# Altium PCB CameraControler1.0.PcbDoc (part 2 of 3)
Units mm, origin at the board's own origin, x right, y up, seen from the top; angles counter-clockwise.
Board outline 140 x 112 mm, 2 copper layers (Top Layer, Bottom Layer); 295 components, 219 nets, 919 pads, 603 vias.
Unrouted connection lines stored in the file: 191.
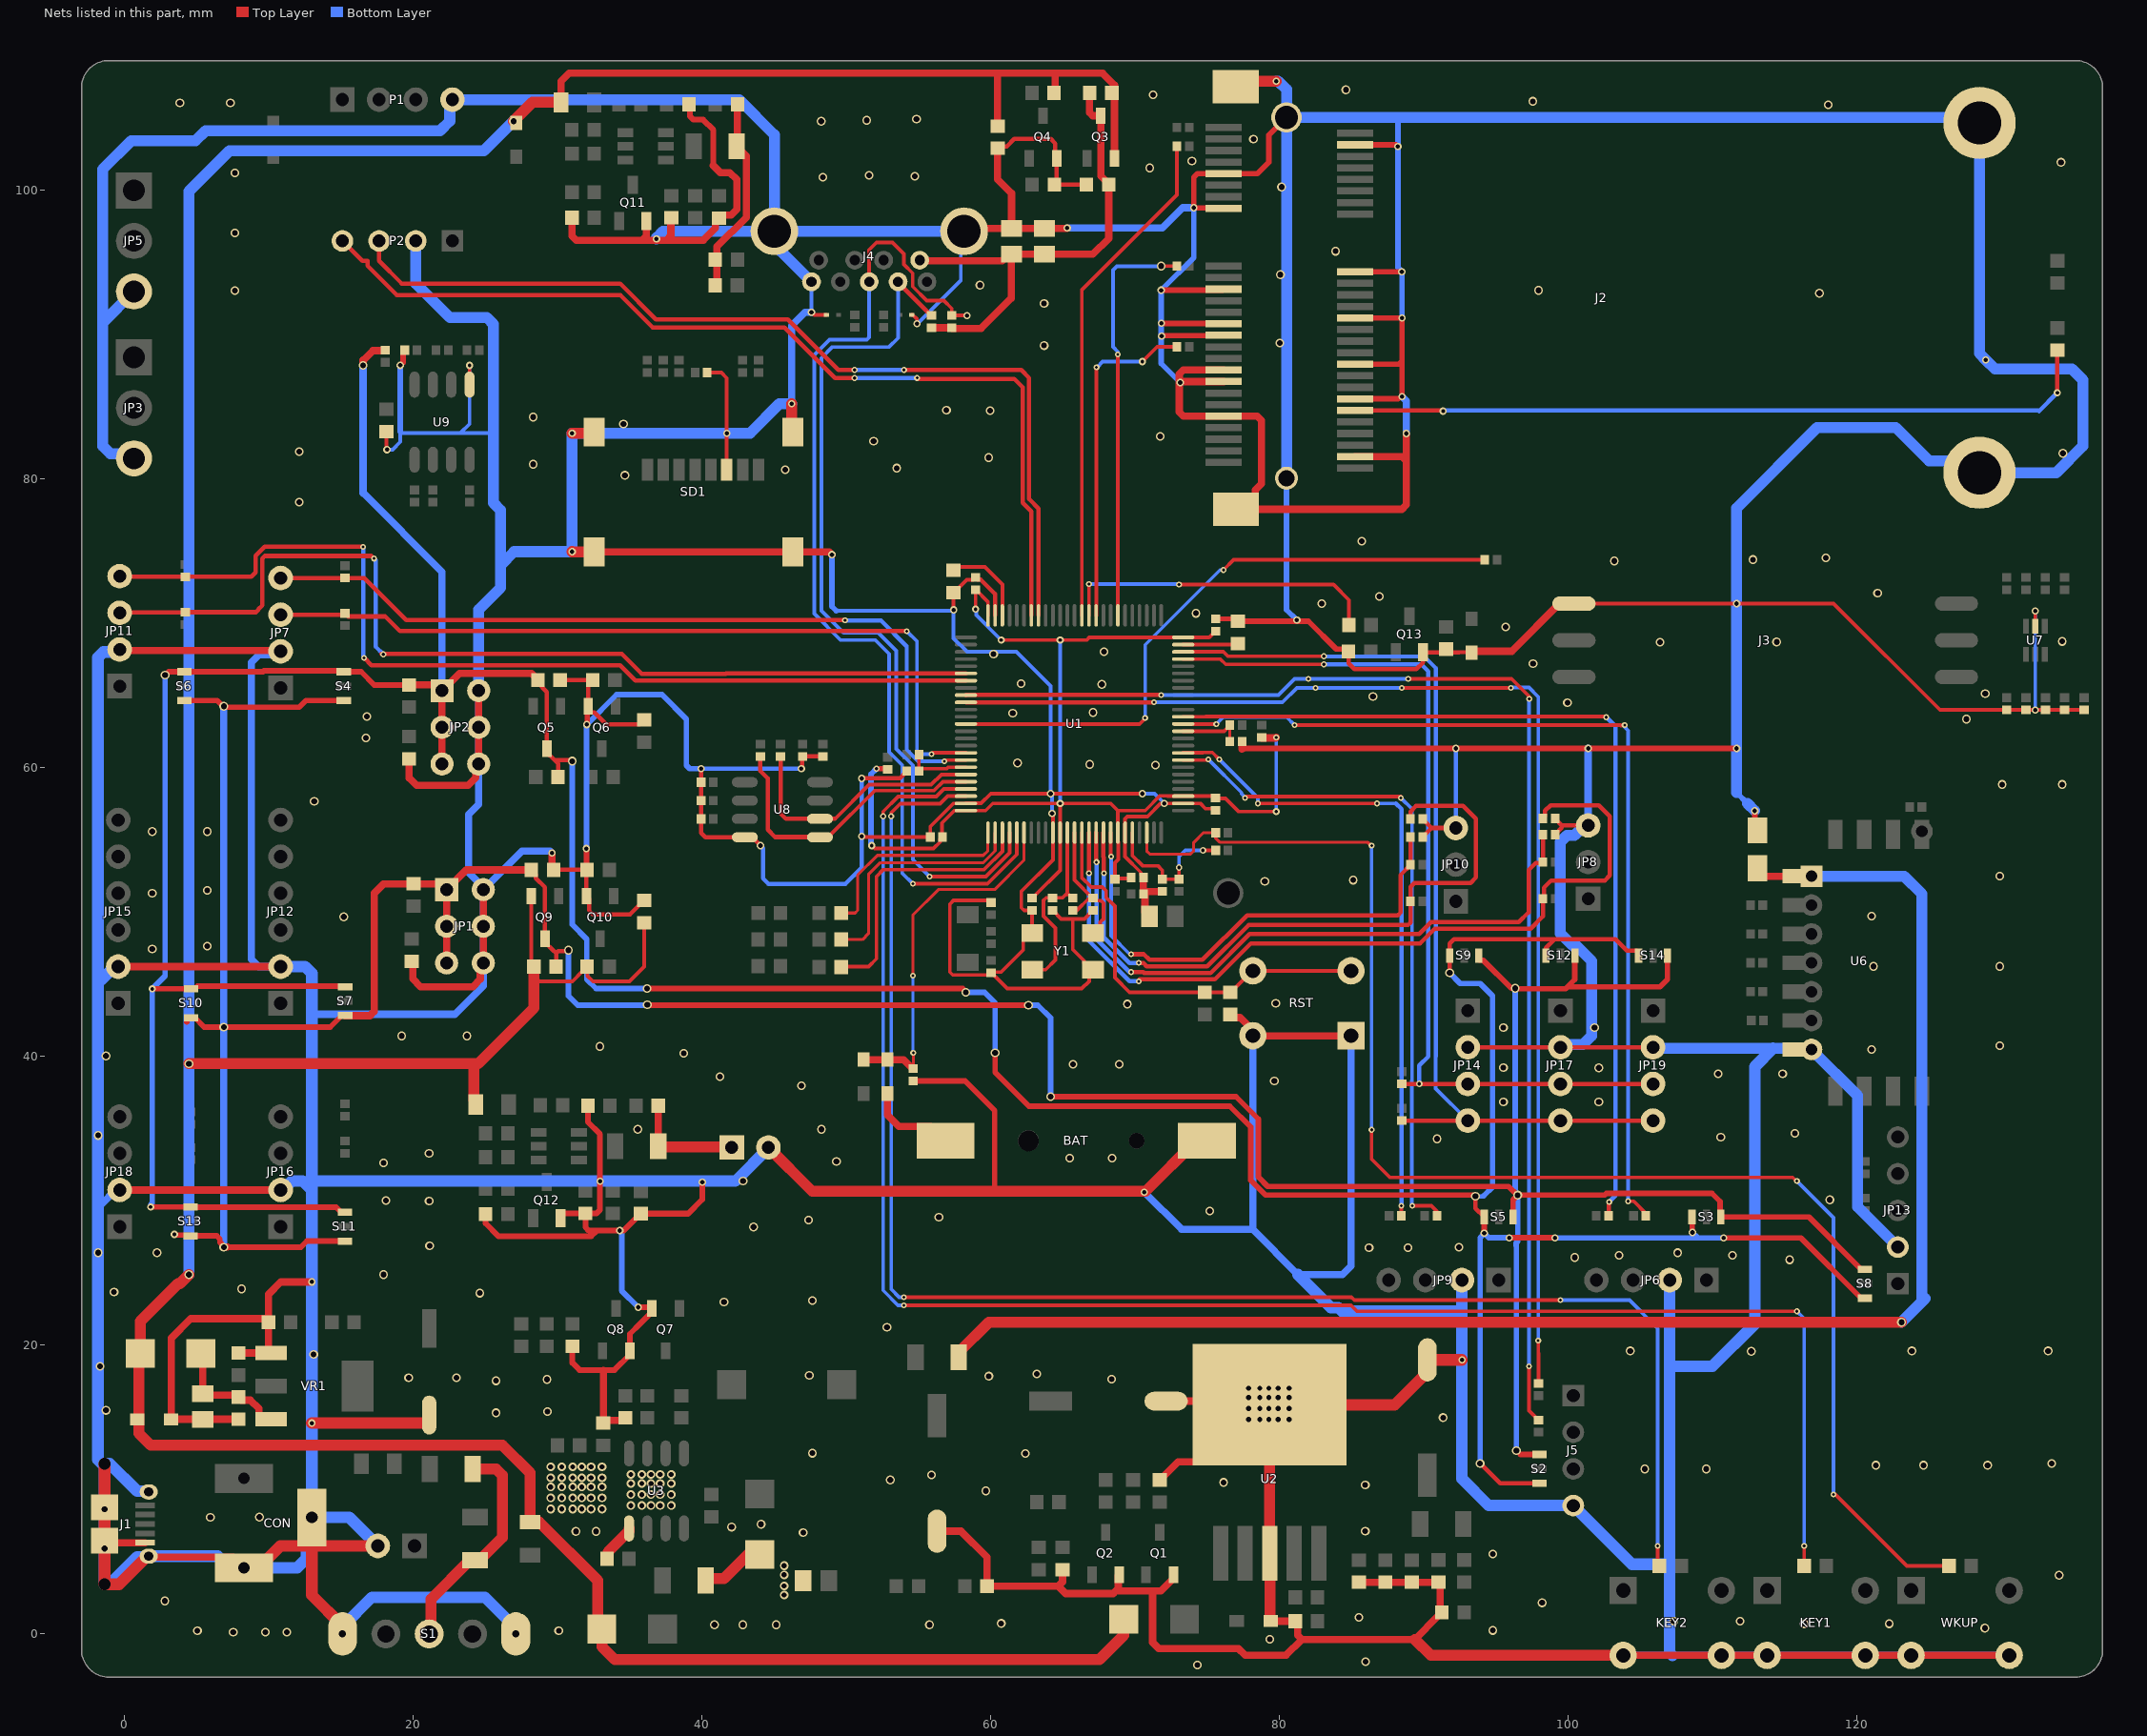
[diagram p2: the nets of this part, all layers, seen from the top]

## Via types
v1: diameter 0.61, hole 0.406, Top Layer to Bottom Layer, 251 vias
v2: diameter 0.406, hole 0.203, Top Layer to Bottom Layer, 142 vias
v3: diameter 0.6, hole 0.35, Top Layer to Bottom Layer, 74 vias
v4: diameter 0.508, hole 0.305, Top Layer to Bottom Layer, 65 vias
v5: diameter 0.508, hole 0.254, Top Layer to Bottom Layer, 32 vias
v6: diameter 0.457, hole 0.254, Top Layer to Bottom Layer, 26 vias
v7: diameter 0.406, hole 0.2, Top Layer to Bottom Layer, 7 vias
v8: diameter 4, hole 3, Top Layer to Bottom Layer, 4 vias
v9: diameter 0.508, hole 0.406, Top Layer to Bottom Layer, 2 vias

## Nets (pads, with @x,y where several pads share a name; then routed paths per layer and width w, separated by ;. In a path a pad name is that pad's centre, name@x,y a point inside that pad or via, vN(x,y) a via of type N, cw(c..) or ccw(c..) an arc to the next point about the centre after c; other vN are vias at no path point) (continued)
+3.3V_VCC_OUT3.3: C36.2 JP2.1 JP2.3 JP2.5 Q5.3 R44.1 R54.2 R101.1 S2.1 S3.1 S4.1 S5.1 S6.1 S7.1 S8.1 S9.1 S10.1 S11.1 S12.1 S13.1 S14.1 | length 309
  Top Layer w0.254: v4(110.744,27.432) 110.998,27.432
  Top Layer w0.3: C36.2@28.613,66.084 28.613,65.873 29.239,65.248 Q5.3@29.239,61.315 29.239,61.065 29.782,60.522 29.797,60.522 ; R44.1@30.009,59.37 30.009,60.31 29.797,60.522 ; v1@30.835,60.522 29.797,60.522 ; v1(91.769,45.791) 91.771,45.794 91.771,46.988 S9.1@91.774,46.99 91.774,47.84 92.066,48.133 99.05,48.133 ; v1(93.554,30.317) 93.554,29.488 S5.1@94.16,28.883 ; v1(93.875,11.811) 95.256,10.43 S2.1@97.99,10.43 ; 98.441,47.498 98.441,47.524 99.05,48.133 ; S14.1@104.855,46.99 104.855,47.24 104.755,47.34 104.044,47.34 103.251,48.133 99.05,48.133
  Top Layer w0.381: v5(1.794,29.575) S13.1@4.552,29.575 4.57,29.558 14.643,29.558 14.99,29.211 S11.1@15.24,29.211 ; v5(1.905,44.688) S10.1@4.6,44.688 4.85,44.688 5.043,44.881 15.218,44.881 S7.1@15.268,44.831 ; v1(2.794,66.421) 3.032,66.659 S6.1@4.118,66.659 9.576,66.659 9.642,66.725 14.851,66.725 14.917,66.659 S4.1@15.167,66.659 16.369,66.659 17.286,65.742 R54.2@19.689,65.742 ; v1@30.835,60.522 30.929,60.522 v1(30.988,60.463) ; v1(36.167,44.704) 58.038,44.704 58.261,44.481 v1(58.261,44.453) ; v1(60.286,40.259) 60.286,38.901 62.624,36.563 76.543,36.563 77.982,35.125 77.982,31.429 79.014,30.397 93.554,30.397 v1(93.554,30.317) ; v4(94.16,27.76) S5.1@94.16,28.883 ; v4(95.885,27.441) 99.051,27.441 v4(99.06,27.432) ; S3.1@108.55,28.883 108.568,28.865 108.568,27.83 v4(108.585,27.813) ; 110.998,27.432 116.098,27.432 120.273,23.257 S8.1@120.523,23.257
  Top Layer w0.508: v1(16.51,87.884) 16.51,88.235 17.173,88.898 17.992,88.898 R101.1@18.038,88.944 ; R54.2@19.689,65.742 21.578,65.742 JP2.1@21.975,65.345 ; JP2.5@21.975,60.265 JP2.3@21.975,62.805 JP2.1@21.975,65.345 ; C36.2@28.613,66.084 28.613,66.109 28.171,66.551 23.182,66.551 JP2.1@21.975,65.345
  Bottom Layer w0.3: v1(93.554,30.317) 94.096,30.317 94.133,30.353
  Bottom Layer w0.381: v5(1.794,29.575) 1.818,29.599 1.818,29.758 1.905,29.845 v5(1.905,44.688) 2.794,45.577 v1(2.794,66.421) ; v1(30.988,60.463) 30.988,49.149 32.004,48.133 32.004,45.339 32.639,44.704 v1(36.167,44.704) ; v1@58.293,44.453 59.56,44.453 60.286,43.727 v1(60.286,40.259) ; v1(91.769,45.791) 92.501,45.059 93.875,45.059 94.742,44.192 94.742,30.962 94.133,30.353 ; v1(93.875,11.811) 93.875,27.441 94.16,27.726 v4(94.16,27.76) 94.479,27.441 v4(95.885,27.441) ; v4(99.06,27.432) 108.966,27.432 ; v4(108.585,27.813) 108.966,27.432 ; v4(110.744,27.432) 108.966,27.432
  Bottom Layer w0.508: v1(16.51,87.884) 16.51,79.038 21.975,73.573 JP2.1@21.975,65.345
+3.3V_VCC_WiFi: C44.1 R41.2 U6.1 | length 108.2
  Top Layer w0.5: C44.1@113.084,53.046 113.084,52.917 113.509,52.492 U6.1@115.683,52.492
  Top Layer w0.762: R41.2@57.751,19.158 57.751,19.493 59.848,21.59 v1(123.063,21.59)
  Bottom Layer w0.762: U6.1@116.828,52.488 123.263,52.488 124.478,51.272 124.478,23.241 124.714,23.241 v1(123.063,21.59)
+3.3V_VDD: C10.1 C11.1 C12.1 C13.1 C14.1 C15.1 R6.1 R15.2 R16.2 U1.11 U1.19 U1.28 U1.50 U1.75 U1.100 | length 89.7
  Top Layer w0.254: v5(51.739,54.61) 51.94,54.409 56.02,54.409 56.471,54.86 56.471,55.03 C10.1@56.603,55.162 ; C10.1@56.644,55.203 C10.1@56.603,55.162 ; v5(58.928,70.991) C15.1@58.928,72.346 58.953,72.346 59.784,71.515 59.784,70.563 U1.75@59.786,70.561 ; v5(60.707,68.854) v5(64.786,68.854) 66.63,68.854 66.811,69.036 U1.50@73.311,69.036 75.107,69.036 75.54,69.469 C14.1@75.565,69.469 ; C11.1@62.853,50.967 62.878,50.967 63.051,51.14 63.051,51.165 64.786,52.9 U1.11@64.786,55.511 v5(64.786,57.531) ; R6.1@68.58,52.285 68.639,52.344 R6.1@68.664,52.344 ; C12.1@69.704,52.403 69.645,52.344 R6.1@68.664,52.344 ; C13.1@75.432,58.038 73.313,58.038 U1.28@73.311,58.036 73.309,58.038 72.256,58.038 72.23,58.064 71.706,58.064 70.678,57.036 68.786,57.036 ; C13.1@75.54,57.91 75.579,57.871 76.246,57.871 77.142,56.975 v5(79.756,56.975) ; C10.1@56.603,55.162 56.603,56.176 57.463,57.036 U1.100@58.261,57.036 59.624,57.036 60.119,57.531 v5(64.786,57.531) ; v5(64.786,57.531) 68.291,57.531 68.786,57.036 ; R6.1@68.664,52.344 68.58,52.428 68.58,53.42 68.809,53.648 68.809,54.842 68.786,54.865 U1.19@68.786,55.511 68.786,57.036
  Top Layer w0.381: v2(52.068,59.942) 52.774,59.942 R16.2@52.832,59.885
  Top Layer w0.508: R15.2@78.74,62.111 78.786,62.065 79.718,62.065 v2(79.756,62.103)
  Bottom Layer w0.254: v5(58.928,70.991) 58.977,70.943 58.977,70.585 v5(60.707,68.854) ; v5(64.786,57.531) v5(64.786,68.854) ; v5(79.756,56.975) v2(79.756,62.103)
  Bottom Layer w0.381: v5(51.739,54.61) 51.689,54.66 51.689,59.556 52.068,59.936 v2(52.068,59.942)
+5V_VBAT: R25.2 R26.2 S1.2 | length 15.7
  Top Layer w0.762: S1.2@21.082,0 21.209,0.127 21.209,2.401 23.922,5.114 R26.2@24.257,5.114 24.592,5.114 26.162,6.684 26.162,10.984 25.716,11.43 R25.2@24.096,11.43
+5V_VBAT_IN: C29.2 C38.2 D4.1 D5.1 D6.2 D7.1 D10.1 F3.2 F4.2 F5.2 Q3.2 Q9.2 R35.2 R37.2 R55.2 R56.2 | length 295.6
  Top Layer w0.254: Q9.2@28.157,51.114 28.157,46.399 R56.2@28.337,46.219 R56.2@28.337,45.909 ; 28.337,45.6 28.734,45.203 31.012,45.203 31.665,45.856 31.69,45.856 R55.2@32.028,46.194 ; R55.2@32.028,46.219 R55.2@32.028,46.194 ; C38.2@35.973,49.267 35.973,46.219 34.957,45.203 32.425,45.203 32.028,45.6 R55.2@32.028,46.194
  Top Layer w0.5: F4.2@30.226,106.103 30.226,107.569 30.79,108.133 60.458,108.133 ; C29.2@60.458,104.458 60.458,108.133 ; R35.2@64.456,106.849 64.456,108.133 ; Q3.2@68.549,102.221 68.549,107.31 67.726,108.133 64.456,108.133 ; 60.458,108.133 64.456,108.133
  Top Layer w0.6: R35.2@64.371,106.763 R35.2@64.456,106.849
  Top Layer w0.762: D6.2@0.852,14.868 D6.2@0.929,14.868 ; v1(4.445,24.892) 3.81,24.257 3.683,24.257 1.075,21.649 D5.1@1.075,19.431 0.963,19.32 0.963,14.902 D6.2@0.929,14.868 ; v1(4.445,39.497) 24.187,39.497 ; F5.2@24.314,36.675 24.314,36.866 24.187,36.993 24.187,39.497 ; v1(26.924,104.792) 28.241,106.109 30.22,106.109 F4.2@30.226,106.103 ; F3.2@28.067,7.747 28.067,11.16 26.162,13.065 1.794,13.065 0.971,13.888 0.971,14.834 0.937,14.868 D6.2@0.929,14.868 ; R56.2@28.337,45.909 28.337,45.6 28.337,43.362 24.472,39.497 24.187,39.497 ; F3.2@28.702,7.747 32.754,3.695 32.754,0.636 D10.1@33.045,0.345 ; D10.1@33.043,0.345 33.043,-0.889 33.932,-1.778 67.508,-1.778 69.203,-0.083 D7.1@69.203,1.014
  Bottom Layer w0.762: v1(4.445,24.892) v1(4.445,39.497) 4.445,99.949 7.239,102.743 24.875,102.743 v1(26.924,104.792)
+5V_VCC_CAM: R57.2 R88.1 R89.1 R136.2 | length 13.7
  Top Layer w0.4: R57.2@42.39,103.053 R57.2@42.415,103.078 ; R136.2@42.415,105.949 R136.2@42.44,105.974
  Top Layer w0.5: R89.1@40.886,93.417 41.021,93.552 41.021,96.103 43.053,98.135 43.053,102.39 R57.2@42.39,103.053 ; R57.2@42.415,103.078 R136.2@42.415,105.949
+5V_VCC_OUT: JP4.1 R65.2 R137.2 | length 7.9
  Top Layer w0.5: R65.2@36.951,33.782 R137.2@36.951,36.588
  Top Layer w0.762: R65.2@36.951,33.782 36.992,33.741 42,33.741 JP4.1@42.041,33.7
+5V_VCC_OUT5: C41.2 JP1.1 JP1.3 JP1.5 Q9.3 R46.2 R56.1 S2.3 S3.3 S4.3 S5.3 S6.3 S7.3 S8.3 S9.3 S10.3 S11.3 S12.3 S13.3 S14.3 | length 269.7
  Top Layer w0.3: C41.2@28.157,52.933 28.472,52.618 28.472,52.359 29.107,51.724 Q9.3@29.107,48.164 29.107,47.914 29.651,47.371 29.665,47.371 29.877,47.159 ; R56.1@29.877,46.219 29.877,47.159 ; v1(30.734,47.371) 30.675,47.312 30.03,47.312 29.877,47.159
  Top Layer w0.381: v5(3.429,27.686) 3.463,27.686 3.515,27.635 4.493,27.635 S13.3@4.552,27.575 6.366,27.575 6.589,27.352 6.589,27.128 6.858,26.859 v1(6.858,26.797) ; S6.3@4.118,64.659 6.399,64.659 6.796,64.262 v1(6.858,64.262) ; 4.291,42.379 4.291,42.629 4.35,42.688 S10.3@4.6,42.688 4.85,42.688 5.501,42.037 v1(6.858,42.037) 14.224,42.037 15.018,42.831 S7.3@15.268,42.831 ; v1@7.061,64.202 12.08,64.202 12.537,64.659 S4.3@15.167,64.659 ; v1@7.112,26.797 12.192,26.797 12.606,27.211 S11.3@15.24,27.211 ; v1(36.195,43.586) 36.223,43.558 v1(62.594,43.558) ; v1(64.128,37.211) 76.962,37.211 78.515,35.658 78.515,31.65 79.164,31.001 95.846,31.001 96.45,30.397 v1(96.482,30.397) ; S9.3@93.773,46.99 93.773,46.74 93.833,46.68 94.083,46.68 96.037,44.726 v1(96.312,44.726) 96.347,44.691 99.793,44.691 99.933,44.831 ; S5.3@96.16,28.883 96.16,30.075 v1(96.482,30.397) ; v1(96.393,12.7) 96.663,12.43 S2.3@97.99,12.43 ; S12.3@100.441,46.99 100.441,45.339 99.933,44.831 ; S14.3@106.854,46.99 106.854,45.339 106.346,44.831 99.933,44.831 ; S8.3@120.523,25.257 120.273,25.257 116.647,28.883 S3.3@110.55,28.883 110.498,28.935 110.498,29.954 109.934,30.518 102.634,30.518 102.513,30.397 v1(96.482,30.397)
  Top Layer w0.508: v1(6.858,26.797) v1@7.112,26.797 ; S7.3@15.268,42.831 16.974,42.831 17.272,43.129 17.272,51.308 17.923,51.959 R46.2@20.007,51.959 21.896,51.959 JP1.1@22.293,51.562 ; JP1.5@22.293,46.482 JP1.3@22.293,49.022 JP1.1@22.293,51.562 ; C41.2@28.157,52.933 23.664,52.933 JP1.1@22.293,51.562
  Bottom Layer w0.381: v1(30.734,47.371) 30.734,44.193 31.369,43.558 36.167,43.558 v1(36.195,43.586) ; v1(62.594,43.558) 63.246,43.558 64.128,42.676 v1(64.128,37.211) ; v1(96.312,44.726) 96.312,30.629 96.482,30.459 v1(96.482,30.397) 96.482,27.193 96.37,27.081 96.37,26.908 96.393,26.885 v1(96.393,12.7)
  Bottom Layer w0.508: v1(6.858,26.797) v1(6.858,42.037) v1(6.858,64.262)
+5V_VCC_USB: C30.2 C51.2 C52.2 J4.1 Q3.3 R37.1 R84.2 R125.2 | length 34.5
  Top Layer w0.254: R37.1@66.616,106.763 R37.1@66.616,107.117
  Top Layer w0.5: J4.1@55.062,95.171 55.114,95.119 60.79,95.119 61.263,95.592 C51.2@61.418,95.592 ; R84.2@55.88,90.485 R125.2@57.277,90.485 57.327,90.435 58.352,90.435 58.363,90.424 59.309,90.424 61.418,92.533 C51.2@61.418,95.592 ; R37.1@66.829,106.763 66.829,105.405 67.062,105.171 Q3.3@67.599,105.171 67.599,100.985 C30.2@68.156,100.427 ; C30.2@68.156,100.402 68.156,96.686 67.062,95.592 C52.2@63.704,95.592 C51.2@61.418,95.592
ADC_CH1: R100.2 R132.1 U1.15 | length 58.5
  Top Layer w0.3: v7(66.786,52.705) U1.15@66.786,55.511 ; v2@70.286,45.339 75.491,45.339 77.993,47.84 89.709,47.84 90.732,48.863 97.388,48.863 98.226,49.701 R100.2@98.226,50.929 98.298,51.001 98.298,51.704 98.793,52.199 102.519,52.199 102.861,52.541 102.861,56.644 102.099,57.406 98.757,57.406 98.376,57.025 98.376,56.64 R132.1@98.226,56.49
  Bottom Layer w0.3: v7(66.786,52.705) 66.786,48.011 69.585,45.212 v2(70.231,45.212)
ADC_CH2: R103.2 R104.1 U1.16 | length 46.1
  Top Layer w0.3: U1.16@67.286,55.511 67.286,53.745 67.29,53.741 67.29,53.487 v7(67.31,53.467) ; v7(69.704,45.848) 70.542,45.848 70.599,45.791 75.216,45.791 77.913,48.488 89.662,48.488 90.49,49.316 96.563,49.316 97.233,49.986 97.233,52.91 97.741,53.418 98.175,53.418 R103.2@98.226,53.469 R104.1@98.226,55.374
  Bottom Layer w0.3: v7(67.31,53.467) 67.31,48.126 69.588,45.848 v7(69.704,45.848)
ADC_CH3: R106.2 R107.1 U1.17 | length 47.5
  Top Layer w0.3: U1.17@67.786,55.511 67.786,53.847 67.818,53.815 v7(67.818,52.705) ; v7(70.231,46.487) 70.251,46.467 70.563,46.467 70.786,46.244 74.973,46.244 77.83,49.101 88.883,49.101 89.058,49.277 R106.2@89.058,50.752 89.058,51.745 89.335,52.022 93.21,52.022 93.591,52.403 93.591,56.467 92.702,57.356 89.439,57.356 89.058,56.975 R107.1@89.058,56.467 R107.1@89.058,56.442
  Bottom Layer w0.3: v7(67.818,52.705) 67.818,48.258 69.589,46.487 v7(70.231,46.487)
ADC_CH4: R108.2 R109.1 U1.18 | length 34.7
  Top Layer w0.254: U1.18@68.286,55.511 68.286,53.929 68.326,53.889 v7(68.326,53.848)
  Top Layer w0.3: v7(69.704,47.087) 70.582,47.087 70.973,46.696 74.648,46.696 77.731,49.78 88.179,49.78 88.384,49.986 88.384,52.593 89.058,53.267 R108.2@89.058,53.292 89.058,55.172 R109.1@89.058,55.197
  Bottom Layer w0.254: v7@68.286,53.862 68.326,53.822 68.326,48.369 v7@69.626,47.069
BOOT0: R7.2 R8.1 U1.94 | length 4.5
  Top Layer w0.254: R7.2@55.007,60.914 R8.1@55.007,59.775 55.174,59.942 56.942,59.942 57.035,60.036 U1.94@58.261,60.036
BOOT1: R9.2 R10.1 U1.37 | length 4.5
  Top Layer w0.203: R10.1@76.54,61.818 76.54,62.936 R9.2@76.54,62.961
  Top Layer w0.254: U1.37@73.311,62.536 76.14,62.536 R9.2@76.54,62.936
Cam_Connect: J4.8 R84.1 U1.4 | length 61.1
  Top Layer w0.254: v2(55.753,52.466) 59.647,52.466 61.286,54.104 U1.4@61.286,55.511
  Top Layer w0.3: J4.8@53.562,93.671 53.562,93.628 55.855,91.335 R84.1@55.88,91.335
  Bottom Layer w0.254: J4.8@53.562,93.671 53.562,89.779 52.937,89.154 49.022,89.154 48.26,88.392 48.26,70.886 49.784,69.362 52.189,69.362 53.445,68.106 53.445,61.305 54.582,60.168 54.582,53.637 v2(55.753,52.466)
Cam_TakePhoto: J4.7 R125.1 U1.5 | length 71.1
  Top Layer w0.254: J4.7@51.562,93.671 51.562,95.885 52.07,96.393 53.174,96.393 53.975,95.592 53.975,94.869 54.576,94.268 54.576,93.343 55.558,92.361 56.737,92.361 57.277,91.821 R125.1@57.277,91.335 v4(58.341,91.335) ; v2(54.587,51.966) 59.755,51.966 61.786,53.997 U1.5@61.786,55.511
  Bottom Layer w0.254: J4.7@51.562,93.671 51.562,89.814 51.41,89.662 48.812,89.662 47.752,88.602 47.752,70.676 49.574,68.854 51.978,68.854 52.937,67.896 52.937,61.095 53.848,60.184 53.848,52.705 v2(54.587,51.966)
EC25_DTR: R80.1 U1.60 | length 23.4
  Top Layer w0.254: U1.60@67.286,70.561 67.286,87.733 v2(67.31,87.757) ; v5(70.485,88.138) 71.508,89.161 R80.1@72.886,89.161
  Bottom Layer w0.254: v2(67.31,87.757) 67.351,87.757 67.732,88.138 v5(70.485,88.138)
EC25_PERST#: R73.1 U1.61 | length 22.4
  Top Layer w0.254: U1.61@66.786,70.561 v2(66.786,72.732) ; v2(73.025,72.691) 83.721,72.691 84.784,71.628 R73.1@84.784,69.886
  Bottom Layer w0.254: v2(66.786,72.732) 72.771,72.732 72.783,72.72 72.996,72.72 v2(73.025,72.691)
EC25_RI: R81.1 U1.57 | length 29.7
  Top Layer w0.254: U1.57@68.786,70.561 v2(68.786,88.646) 68.786,87.561 ; v1(71.786,94.761) R81.1@72.886,94.761
  Bottom Layer w0.254: v2(68.786,88.646) 68.786,88.821 68.453,89.154 68.453,94.488 68.707,94.742 71.755,94.742 71.774,94.761 v1(71.786,94.761)
EC25_W_DISABLE: R83.2 U1.88 | length 43.6
  Top Layer w0.254: U1.88@58.261,63.036 70.28,63.036 70.677,63.433 v2(70.677,63.457) ; v2(76.095,73.704) 76.813,74.422 R83.2@94.19,74.422
  Bottom Layer w0.254: v2(70.677,63.457) 70.677,68.518 75.863,73.704 v2(76.095,73.704)
EC25_WAKE#: R82.1 U1.62 | length 35.2
  Top Layer w0.254: U1.62@66.286,70.561 66.286,93.088 72.886,99.688 R82.1@72.886,103.053
GND: BAT.2 C1.1 C2.2 C3.1 C4.1 C5.2 C6.1 C7.2 C8.1 C9.1 C10.2 C11.2 C12.2 C13.2 C14.2 C15.2 C16.2 C17.2 C18.2 C19.1 C20.1 C21.2 C22.1 C23.2 C24.1 C25.2 C26.1 C27.1 C28.1 C29.1 C30.1 C32.1 C33.2 C34.2 C35.1 C36.1 C38.1 C40.1 C41.1 C43.1 C44.2 C45.1 C46.1 C47.1 C48.1 C49.1 C50.2 C51.1 C52.1 C53.2 C54.1 CON.2 CON.3 D6.1 D9.1 D11.1 D13.1 D14.2 D15.2 J1.5 J1.Shell J2.4 J2.9 J2.15 J2.18 J2.21 J2.26 J2.27 J2.29 J2.34 J2.35 J2.37 J2.40 J2.43 J2.50 J2.53 J2.54 J2.MH1 J2.MH2 J2.MH3 J2.MH4 J3.4 J4.5 J4.Shell J5.4 JP1.2 JP1.4 JP1.6 JP2.2 JP2.4 JP2.6 JP3.3 JP4.2 JP5.3 JP6.2 JP7.2 JP8.3 JP9.2 JP10.3 JP11.2 JP12.2 JP13.2 JP14.2 JP15.2 JP16.2 JP17.2 JP18.2 JP19.2 JP20.2 KEY1.2 KEY2.2 LED11.K LED12.K LED13.K LED14.K LED15.K LED16.K LED18.K P1.4 P2.2 Q1.2 Q2.2 Q4.2 Q6.2 Q7.2 Q8.2 Q10.2 Q11.2 Q12.2 Q13.2 R8.2 R10.2 R31.1 R33.1 R38.1 R39.1 R47.1 R49.1 R51.2 R52.1 R53.1 R61.2 R62.1 R64.2 R69.2 R71.2 R74.2 R85.2 R86.2 R87.2 R90.2 R104.2 R107.2 R109.2 R122.1 R132.2 RST.1 S1.0 SD1.6 SD1.9 SD1.10 SD1.11 SD1.12 U1.10 U1.20 U1.27 U1.74 U1.99 U2.0 U2.3 U3.5 U6.7 U7.2 U8.4 U9.5 VR1.1 WKUP.2 Y1.2 Y1.4 | length 1796
  Top Layer w0.254: C53.2@18.126,83.296 18.126,82.077 v4(18.161,82.042) ; U9.5@23.88,86.547 v5(23.88,87.884) ; C18.2@40.346,87.383 41.315,87.383 41.696,87.002 v4(41.696,83.185) SD1.6@41.696,80.652 ; v4(47.562,91.561) 47.744,91.379 D14.2@48.602,91.379 ; v4(51.043,55.245) 51.084,55.203 C10.2@55.794,55.203 ; D15.2@54.522,91.379 54.573,91.379 54.876,91.076 v4(54.876,90.761) ; C10.2@55.794,55.245 55.794,55.942 57.386,57.534 58.259,57.534 U1.99@58.261,57.536 58.263,57.538 59.316,57.538 59.985,58.207 v4(64.128,58.207) v4(70.489,58.207) ; v4(57.404,70.943) 57.404,72.111 58.316,73.023 58.755,73.023 C15.2@58.928,73.196 ; C16.2@60.001,50.664 59.857,50.808 57.404,50.808 57.15,50.554 57.15,45.848 57.35,45.648 59.85,45.648 C17.2@60.001,45.799 ; v4(64.227,56.844) 64.283,56.788 64.283,56.467 ; C2.2@64.258,50.117 64.283,50.117 64.863,49.538 65.664,49.538 ; 64.284,56.466 64.284,55.513 U1.10@64.286,55.511 64.286,53.618 62.103,51.435 62.103,50.308 62.294,50.117 C11.2@62.853,50.117 Y1.4@62.853,48.554 62.703,48.554 62.23,48.081 62.23,47.371 60.707,45.848 60.05,45.848 C17.2@60.001,45.799 ; C5.2@67.069,50.117 67.044,50.117 66.465,49.538 65.664,49.538 ; C12.2@70.554,52.403 70.381,52.576 70.381,52.746 69.286,53.841 U1.20@69.286,55.511 69.286,56.467 69.449,56.63 70.846,56.63 71.753,57.536 ; v4@72.009,57.536 U1.27@73.311,57.536 74.49,57.536 74.859,57.167 75.509,57.167 C13.2@75.565,57.111 ; 92.412,68.001 93.268,68.001 D13.1@93.301,67.968 ; J3.4@100.373,71.374 v4(111.648,71.374) 118.364,71.374 125.73,64.008 C47.1@130.346,64.008 C48.1@131.688,64.008 C49.1@133.026,64.008 ; U7.2@132.334,69.804 v4(132.334,70.866) ; C49.1@133.03,64.008 C46.1@135.714,64.008 ; C17.2@60.001,45.799 60.026,45.799 61.121,44.704 66.286,44.704 66.794,45.212 66.794,45.739 Y1.2@67.069,46.014 66.919,46.014 66.446,46.487 66.446,46.637 65.664,47.42 65.664,49.538
  Top Layer w0.3: C41.1@29.697,52.933 R62.1@32.028,52.933 31.975,52.88 Q10.2@31.975,51.114 32.15,50.939 32.15,50.124 32.425,49.849 34.99,49.849 35.948,50.807 C38.1@35.973,50.807 ; C36.1@30.153,66.084 R49.1@32.406,66.084 32.099,65.777 Q6.2@32.099,64.265 32.099,64.015 32.274,63.84 32.524,63.84 33.365,63 35.655,63 C32.1@35.97,63.315 ; v4(39.918,59.942) R85.2@39.918,59.003 R86.2@39.918,57.733 R87.2@39.918,56.463 39.918,55.491 40.216,55.193 U8.4@42.95,55.193 43.471,55.193 44.026,54.639 v4(44.026,54.61) ; v4(46.863,59.936) 46.903,59.975 46.903,60.747 C50.2@46.947,60.791 R122.1@48.344,60.791 ; v4(51.043,59.267) 53.674,59.267 54.157,59.75 R8.2@54.157,59.775 ; C15.2@58.928,73.196 59.078,73.046 59.281,73.046 60.286,72.041 U1.74@60.286,70.561 ; C29.1@60.458,102.918 60.593,103.053 61.093,103.053 61.601,103.561 64.141,103.561 64.456,103.246 64.456,102.316 Q4.2@64.551,102.221 R39.1@64.551,100.575 ; R39.1@64.522,100.547 R39.1@64.551,100.575 ; C30.1@66.616,100.402 64.724,100.402 R39.1@64.551,100.575 ; C14.2@75.565,70.319 76.926,70.319 C3.1@77.089,70.156 ; R74.2@84.765,68.061 84.765,67.246 85.173,66.838 89.464,66.838 89.933,67.307 Q13.2@89.933,68.001 92.412,68.001 ; R109.2@89.908,55.197 89.908,55.222 90.518,55.832 ; R107.2@89.908,56.467 89.908,56.442 90.518,55.832 ; JP10.3@92.194,55.832 90.518,55.832 ; JP14.2@93.027,40.64 JP17.2@99.441,40.64 JP19.2@105.855,40.64 ; R104.2@99.076,55.374 99.076,55.399 99.532,55.855 99.532,56.009 ; R132.2@99.076,56.49 99.076,56.465 99.532,56.009 ; JP8.3@101.34,56.031 JP8.3@101.362,56.009 99.532,56.009